# Allegro board pc053c_toplevel_34_movecvcc.brd (continued)
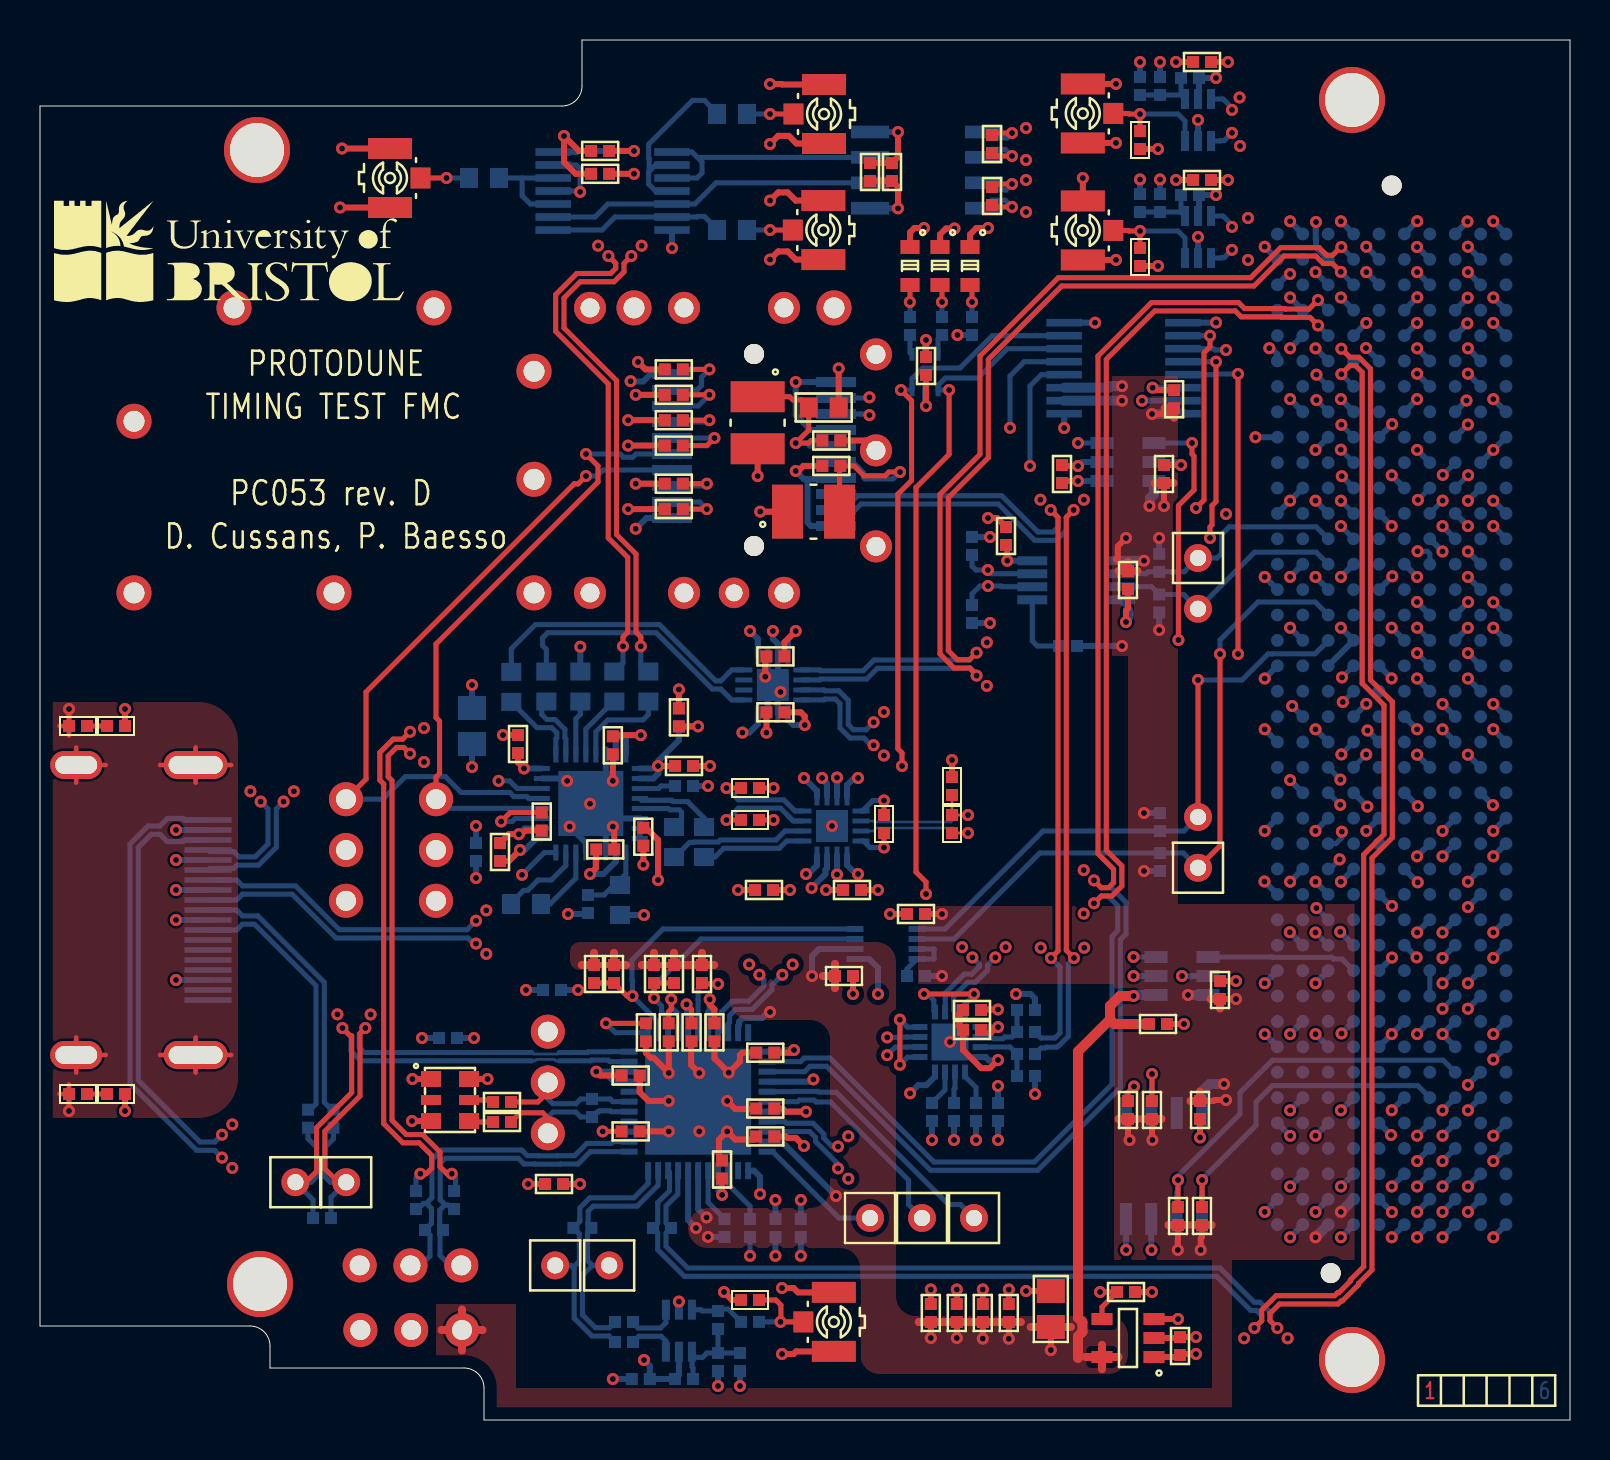
[diagram p0: board, top side]
## Footprints (pads in the part's own frame, mm; a bottom-side part is the same pattern mirrored in y, then rotated) (continued)
SC70_6L
  rect 0.254x0.635 smd: 1(0,0) 2(0.65,0) 3(1.3,0) 4(1.3,1.78) 5(0.65,1.78) 6(0,1.78)
SOIC8S_127
  rect 0.635x1.905 smd: 1(0,0) 2(1.27,0) 3(2.54,0) 4(3.81,0) 5(3.81,5.7) 6(2.54,5.7) 7(1.27,5.7) 8(0,5.7)
SOIC127P600X175-8N
  rect 1.6x0.6 smd: 1(-2.65,1.905) 2(-2.65,0.635) 3(-2.65,-0.635) 4(-2.65,-1.905) 5(2.65,-1.905) 6(2.65,-0.635) 7(2.65,0.635) 8(2.65,1.905)
SOP50P310X90-8N
  rect 0.85x0.3 smd: 1(-1.55,0.75) 2(-1.55,0.25) 3(-1.55,-0.25) 4(-1.55,-0.75) 5(1.55,-0.75) 6(1.55,-0.25) 7(1.55,0.25) 8(1.55,0.75)
SOP65P210X110-6N
  rect 1x0.4 smd: 1(-1.05,0.65) 2(-1.05,0) 3(-1.05,-0.65) 4(1.05,-0.65) 5(1.05,0) 6(1.05,0.65)
SOP65P490X110-8N
  rect 1.5x0.45 smd: 1(-2.2,0.975) 2(-2.2,0.325) 3(-2.2,-0.325) 4(-2.2,-0.975) 5(2.2,-0.975) 6(2.2,-0.325) 7(2.2,0.325) 8(2.2,0.975)
SOT95P280X110-5N
  rect 1.05x0.6 smd: 1(-1.3,0.95) 2(-1.3,0) 3(-1.3,-0.95) 4(1.3,-0.95) 5(1.3,0.95)
SOT95P280X145-6N
  rect 1.15x0.6 smd: 1(-1.3,0.95) 2(-1.3,0) 3(-1.3,-0.95) 4(1.3,-0.95) 5(1.3,0) 6(1.3,0.95)
TP_HOLE_08
  round 1.397 hole 0.813: 1(0,0)
TSSOP14MA_065
  rect 0.381x1.778 smd: 1(0,0) 2(0.65,0) 3(1.3,0) 4(1.95,0) 5(2.6,0) 6(3.25,0) 7(3.9,0) 8(3.9,5.94) 9(3.25,5.94) 10(2.6,5.94) 11(1.95,5.94) 12(1.3,5.94) 13(0.65,5.94) 14(0,5.94)
TSSOP16MA_065
  rect 0.381x1.778 smd: 1(0,0) 2(0.65,0) 3(1.3,0) 4(1.95,0) 5(2.6,0) 6(3.25,0) 7(3.9,0) 8(4.55,0) 9(4.55,5.94) 10(3.9,5.94) 11(3.25,5.94) 12(2.6,5.94) 13(1.95,5.94) 14(1.3,5.94) 15(0.65,5.94) 16(0,5.94)
TYCO_1888247-1
  round 1 hole 1.4 unplated: (0,-4.8) (0,4.8)
  rect 2x0.5 smd: 1(-4.1,3.4) 2(-4.1,2.6) 3(-4.1,1.8) 4(-4.1,1) 5(-4.1,0.2) 6(-4.1,-0.6) 7(-4.1,-1.4) 8(-4.1,-2.2) 9(-4.1,-3) 10(-4.1,-3.8) 11(4.1,-3.4) 12(4.1,-2.6) 13(4.1,-1.8) 14(4.1,-1) 15(4.1,-0.2) 16(4.1,0.6) 17(4.1,1.4) 18(4.1,2.2) 19(4.1,3) 20(4.1,3.8)
unnamed#2
  round 3.302 hole 2.7: (0,0)

## Nets
AGND: C74.1 C75.1 J7.20 J7.21 J7.22 J7.23
GND: C3.2(B<0>) C4.2(B<0>) C5.2(B<0>) C6.2(B<0>) C7.1 C8.1 C9.1 C10.1 C11.1 C12.1 C13.1 C14.1 C15.1 C16.1 C17.1 C18.1 C19.1 C20.1 C29.1 C30.1 C31.1 C32.1 C33.1 C34.1 C35.1 C36.1 C37.1 C38.1 C40.1 C41.1 C42.1 C45.1 C46.1 C47.1 C48.1 C49.1 C51.1 C52.1 C53.1 C54.2(B<0>) C55.2(B<0>) C56.2(B<0>) C57.1 C58.1 C59.1 C60.1 C61.1 C62.1 C63.1 C64.1 C65.1 C66.1 C67.1 C68.1 C69.1 C70.1 C71.1 C72.1 C107.1 C117.1 IC1.1 IC2.3 IC2.4(VSS) IC3.12 IC4.45 IC5.2(VEE) IC6.2(VEE) IC7.2(VEE) IC8.5 IC9.7 IC10.8 IC10.9 IC10.14 IC10.15 IC12.6 IC12.7 IC12.8 IC12.11 IC12.13 IC12.17 IC12.23 IC12.30 IC12.33 IC13.6 IC13.7 IC13.14 IC13.15 IC13.17 IC14.2 IC14.5 IC15.4 IC16.2 IC16.5 IC17.6 IC17.7 IC17.14 IC17.15 IC17.17 IC18.2 J2.1 J3.1 J4.1 J4.10 J4.11 J4.14 J4.17 J4.20(VEET3) J5.2 J6.2 J7.2 J7.5 J7.8 J7.11 J7.17 J8.1 LD1.2(B) LD2.2(B) LD3.2(B) P1.A1 P1.A4 P1.A5 P1.A8 P1.A9 P1.A12 P1.A13 P1.A16 P1.A17 P1.A20 P1.A21 P1.A24 P1.A25 P1.A28 P1.A29 P1.A32 P1.A33 P1.A36 P1.A37 P1.A40 P1.B2 P1.B3 P1.B6 P1.B7 P1.B10 P1.B11 P1.B14 P1.B15 P1.B18 P1.B19 P1.B22 P1.B23 P1.B26 P1.B27 P1.B30 P1.B31 P1.B34 P1.B35 P1.B38 P1.B39 P1.C1 P1.C4 P1.C5 P1.C8 P1.C9 P1.C12 P1.C13 P1.C16 P1.C17 P1.C20 P1.C21 P1.C24 P1.C25 P1.C28 P1.C29 P1.C32 P1.C33 P1.C36 P1.C38 P1.C40 P1.D2 P1.D3 P1.D6 P1.D7 P1.D10 P1.D13 P1.D16 P1.D19 P1.D22 P1.D25 P1.D28 P1.D37 P1.D39 P1.E1 P1.E4 P1.E5 P1.E8 P1.E11 P1.E14 P1.E17 P1.E20 P1.E23 P1.E26 P1.E29 P1.E32 P1.E35 P1.E38 P1.E40 P1.F2 P1.F3 P1.F6 P1.F9 P1.F12 P1.F15 P1.F18 P1.F21 P1.F24 P1.F27 P1.F30 P1.F33 P1.F36 P1.F39 P1.G1 P1.G4 P1.G5 P1.G8 P1.G11 P1.G14 P1.G17 P1.G20 P1.G23 P1.G26 P1.G29 P1.G32 P1.G35 P1.G38 P1.G40 P1.H2 P1.H3 P1.H6 P1.H9 P1.H12 P1.H15 P1.H18 P1.H21 P1.H24 P1.H27 P1.H30 P1.H33 P1.H36 P1.H39 P1.J1 P1.J4 P1.J5 P1.J8 P1.J11 P1.J14 P1.J17 P1.J20 P1.J23 P1.J26 P1.J29 P1.J32 P1.J35 P1.J38 P1.J40 P1.K2 P1.K3 P1.K6 P1.K9(K<9>) P1.K12 P1.K15 P1.K18 P1.K21 P1.K24 P1.K27 P1.K30 P1.K33 P1.K36 P1.K39 PX1.2 PX1.3 PX2.2 PX2.3 PX3.2 PX3.3 PX4.2 PX4.3 PX5.2 PX5.3 PX6.2 PX6.3 QZ1.3 R2.1 R3.2(B<0>) R5.1 R6.1 R10.2(B<0>) R12.2(B<0>) R17.1 R19.1 R20.2(B<0>) R21.2(B<0>) R27.1 R30.1 R31.1 R33.1 R34.1 R36.1 R38.1 R62.2(B<0>) R63.2(B<0>) REG1.2 SFP1.1 SFP1.2 SFP1.3 SFP1.4 SFP1.5 SFP1.6 SFP1.7 SFP1.8 SFP1.9 SFP1.10 SFP1.11 SFP1.12 SFP1.13 SFP1.14 SFP1.15 SFP1.16 SFP1.17 SFP1.18 SFP1.19 SFP1.20
P1V8: C12.2(B<0>) C13.2(B<0>) C14.2(B<0>) C19.2(B<0>) C20.2(B<0>) C65.2(B<0>) C117.2(B<0>) IC1.2 IC4.21 IC4.32 IC4.39 IC4.40 IC16.1 R13.2(B<0>) R14.2(B<0>) R15.2(B<0>) R16.2(B<0>) R40.1 R41.1 REG1.5(OUT)
P3V3: C3.1 C4.1 C5.1 C6.1 C7.2(B<0>) C8.2(B<0>) C9.2(B<0>) C10.2(B<0>) C15.2(B<0>) C29.2(B<0>) C30.2(B<0>) C31.2(B<0>) C32.2(B<0>) C33.2(B<0>) C34.2(B<0>) C35.2(B<0>) C36.2(B<0>) C37.2(B<0>) C40.2(B<0>) C41.2(B<0>) C45.2(B<0>) C46.2(B<0>) C47.2(B<0>) C48.2(B<0>) C49.2(B<0>) C54.1 C55.1 C56.1 C57.2(B<0>) C58.2(B<0>) C59.2(B<0>) C60.2(B<0>) C66.2(B<0>) C69.2(B<0>) C70.2(B<0>) C71.2(B<0>) C72.2(B<0>) C73.2(B<0>) C107.2(B<0>) IC3.9 IC3.16 IC4.8 IC4.9 IC4.18 IC4.23 IC4.26 IC4.29 IC4.34 IC5.5 IC6.5 IC7.5 IC8.8 IC9.14 IC10.1 IC12.1 IC12.2 IC12.10 IC12.12 IC12.18 IC12.24 IC12.31 IC12.32 IC13.5 IC13.8 IC13.13 IC13.16 IC14.1 IC15.8(VCCB) IC17.5 IC17.8 IC17.13 IC17.16 IC18.5 J8.2 L1.2(B<0>) L2.1 P1.C39 P1.D36 P1.D38 P1.D40 QZ1.1 QZ1.6 R4.2(B<0>) R22.1 R23.1 R24.2(B<0>) R25.2(B<0>) R28.1 R29.1 R32.2(B<0>) R35.2(B<0>) R37.2(B<0>) R56.2(B<0>) R57.2(B<0>) R140.1 R411.1 REG1.1 REG1.3
P12V: P1.C35 P1.C37
CDR_LOL: IC10.6 IC12.16 IC18.1
CDR_LOS: IC10.7 IC12.22 IC18.3
CLK_IN0_N: C26.2(B<0>) IC4.44 R9.2(B<0>) TP8.1(A<0>)
CLK_IN0_P: C23.2(B<0>) IC4.43 R9.1 TP7.1(A<0>)
CLK_IN1_N: C27.2(B<0>) IC4.2 J3.2 R11.1
CLK_IN1_P: C24.2(B<0>) IC4.1 J3.3(A<2>) R11.2(B<0>)
CLK_IN2_N: C28.2(B<0>) IC4.11 R8.2(B<0>) TP6.1(A<0>)
CLK_IN2_P: C22.2(B<0>) IC4.10 R8.1 TP5.1(A<0>)
CLK_RST: IC4.17 IC16.3 R16.1
CLK_SCL: IC1.3 IC4.14 R14.1 R41.2(B<0>)
CLK_SDA: IC1.4 IC4.13 R15.1 R40.2(B<0>)
CTRLVCC: P1.D32
CVCC: C16.2(B<0>) C17.2(B<0>) C18.2(B<0>) C61.2(B<0>) C67.2(B<0>) C68.2(B<0>) IC2.8 IC10.2 IC10.3 IC10.16 IC14.6(VCCB) IC15.1 IC16.6(VCCB) J8.3(A<2>) P1.G39 P1.H40 R1.2(B<0>) R39.2(B<0>) R42.2(B<0>) R43.2(B<0>) R103.2(B<0>) R138.2(B<0>) R142.2(B<0>) R143.2(B<0>) R242.2(B<0>) R1328.2(B<0>)
F_CDR_CLK_N: IC12.25 R55.1
F_CDR_CLK_P: IC12.26 R54.1
F_CDR_D_N: P1.H8 R53.2(B<0>)
F_CDR_D_P: P1.H7 R52.2(B<0>)
F_FMC_CLK_N: IC4.42 P1.G7 R18.1
F_FMC_CLK_P: IC4.41 P1.G6 R18.2(B<0>)
F_GPIO_OUT0_N: IC8.4 P1.G10 R45.1
F_GPIO_OUT0_P: IC8.3 P1.G9 R45.2(B<0>)
F_GPIO_OUT1_N: IC8.1 P1.H23 R46.1
F_GPIO_OUT1_P: IC8.2 P1.H22 R46.2(B<0>)
F_MCX_CLK_N: C26.1 IC5.6
F_MCX_CLK_P: C23.1 IC5.1
F_RJ45_CLK_N: C28.1 J7.10(A<9>)
F_RJ45_CLK_P: C22.1 J7.12
F_RJ45_D_N: J7.6 P1.G19
F_RJ45_D_P: J7.4 P1.G18
F_SFP_N: IC13.4 J4.12 R60.1
F_SFP_P: IC13.1 J4.13 R60.2(B<0>)
FMC_GA0: IC2.2 P1.C34 R138.1
FMC_GA1: IC2.1 P1.D35 R1328.1
FMC_LA07_N: IC15.3 P1.H14 R142.1 TP2.1(A<0>)
FMC_LA07_P: IC15.2 P1.H13 R143.1 TP4.1(A<0>)
FMC_LA11_N: IC1.5 P1.H17 R242.1 TP1.1(A<0>)
FMC_LA11_P: IC1.6 P1.H16 R43.1 TP3.1(A<0>)
FMC_SCL: IC2.6 J5.3(A<2>) P1.C30 R103.1
FMC_SDA: IC2.5 J6.3(A<2>) P1.C31 R39.1
FPGA_CDR_LOL: IC10.11 P1.G12
FPGA_CDR_LOS: IC10.10 P1.G13
FPGA_CLK_RST: IC16.4 P1.G30
FPGA_SFP_LOS: IC10.12 P1.D14
FPGA_SFP_TX_DIS: IC14.4 P1.D17
FPGA_SFP_TX_FLT: IC10.13(1B<0>) P1.D18
GPIO_IN0_N: IC6.6 P1.C11
GPIO_IN0_P: IC6.1 P1.C10
GPIO_IN1_N: IC7.6 P1.D12
GPIO_IN1_P: IC7.1 P1.D11
IN_N: C44.2(B<0>) IC12.4
IN_P: C43.2(B<0>) IC12.5
IN_SEL0: IC4.3 R17.2(B<0>)
IN_SEL1: IC4.37 R19.2(B<0>)
OSC_CLK_N: C25.2(B<0>) IC4.6(XB) J2.2 R7.2(B<0>)
OSC_CLK_P: C21.2(B<0>) IC4.5 J2.3(A<2>) R7.1
REC_CLK_N: C27.1 IC17.11
REC_CLK_P: C24.1 IC17.12
S_CLK_IN: C50.1 PX1.1(A) R27.2(B<0>)
S_GPIO_IN0: IC6.3 PX2.1(A) R30.2(B<0>)
S_GPIO_IN1: IC7.3 PX3.1(A) R31.2(B<0>)
SFP_LOS: IC10.5 J4.8 R23.2(B<0>)
SFP_SCL: IC12.20 IC15.7 J4.5 J5.1 R411.2(B<0>)
SFP_SDA: IC12.21 IC15.6 J4.4 J6.1 R140.2(B<0>)
SFP_TX_DISABLE: IC14.3 J4.3 R28.2(B<0>)
SFP_TX_FAULT: IC10.4 J4.2 R29.2(B<0>)
SY5860_IN_N: IC17.4 R55.2(B<0>)
SY5860_IN_P: IC17.1 R54.2(B<0>)
T_CDR_N: C44.1 IC13.9
T_CDR_P: C43.1 IC13.10
T_FFD_CLK_N: IC3.2 IC4.19
T_FFD_CLK_P: IC3.3 IC4.20
T_FFD_D_N: IC3.6 P1.G22
T_FFD_D_P: IC3.7 P1.G21
T_FMC_CLK_N: IC4.24 P1.H5
T_FMC_CLK_P: IC4.25 P1.H4
T_FMC_N: P1.H26 R59.2(B<0>)
T_FMC_P: P1.H25 R58.2(B<0>)
T_FMC_REC_CLK_N: IC17.9 P1.G3
T_FMC_REC_CLK_P: IC17.10 P1.G2
T_MCX_CLK: IC9.11 IC9.13 R26.2(B<0>)
T_RJ45_CLK_N: IC4.30 J7.3
T_RJ45_CLK_P: IC4.31 J7.1
T_RJ45_D_N: J7.9 P1.H29
T_RJ45_D_P: J7.7 P1.H28
T_SFP_N: C2.2(B<0>) J4.19
T_SFP_P: C1.2(B<0>) J4.18
UNNAMED_2_CON400P40ABCDEFGHJK_I: P1.D30 P1.D31
UNNAMED_2_PCA9306_I276_EN: IC1.7(VREF2) IC1.8 R1.1
UNNAMED_2_PCA9517_I162_EN: IC15.5 R42.1
UNNAMED_3_CAPCERSMDCL2_I315_A: C1.1 IC3.10 R5.2(B<0>)
UNNAMED_3_CAPCERSMDCL2_I316_A: C2.1 IC3.11 R6.2(B<0>)
UNNAMED_3_NBSG53A_I298_OLS: IC3.13 R3.1
UNNAMED_3_NBSG53A_I298_R: IC3.15 R2.2(B<0>)
UNNAMED_3_NBSG53A_I298_SEL: IC3.14 R4.1
UNNAMED_3_NBSG53A_I298_VTCLK: IC3.1 IC3.4
UNNAMED_3_NBSG53A_I298_VTD: IC3.5(VTD*) IC3.8
UNNAMED_4_CAPCERSMDCL2_I90_B: C11.2(B<0>) REG1.4
UNNAMED_4_CAPCERSMDCL2_I119_A: C21.1 QZ1.4(OUTP)
UNNAMED_4_CAPCERSMDCL2_I120_A: C25.1 QZ1.5
UNNAMED_4_RSMD0402_I16_A: IC4.12 R10.1
UNNAMED_4_RSMD0402_I47_A: IC4.38 R13.1
UNNAMED_4_RSMD0402_I49_A: IC4.15 R20.1
UNNAMED_4_RSMD0402_I50_A: IC4.16 R21.1
UNNAMED_4_RSMD0402_I123_A: IC4.36 R26.1
UNNAMED_4_SI5344_I110_INTR: IC4.33 TP9.1(A<0>)
UNNAMED_4_SI5344_I110_LOL: IC4.27 TP10.1(A<0>)
UNNAMED_4_SI5344_I110_LOSXAXB: IC4.28 TP11.1(A<0>)
UNNAMED_5_74LCX04_I304_Y: IC9.10 IC9.12 R47.1
UNNAMED_5_74LCX04_I317_A: IC8.7(RO<0>) IC9.1 IC9.3
UNNAMED_5_74LCX04_I317_Y: IC9.2(Y*<0>) IC9.4 R49.1
UNNAMED_5_74LCX04_I323_A: IC8.6 IC9.5 IC9.9
UNNAMED_5_74LCX04_I323_Y: IC9.6 IC9.8 R48.1
UNNAMED_5_ADCMP604_I256_: C51.2(B<0>) IC5.4 R32.1 R33.2(B<0>) R44.1
UNNAMED_5_ADCMP604_I256__1: C50.2(B<0>) IC5.3 R44.2(B<0>)
UNNAMED_5_ADCMP604_I285_: C52.2(B<0>) IC6.4 R35.1 R36.2(B<0>)
UNNAMED_5_ADCMP604_I294_: C53.2(B<0>) IC7.4 R37.1 R38.2(B<0>)
UNNAMED_5_PCOAX_I312_A: PX4.1(A) R47.2(B<0>)
UNNAMED_5_PCOAX_I315_A: PX6.1(A) R49.2(B<0>)
UNNAMED_5_PCOAX_I321_A: PX5.1(A) R48.2(B<0>)
UNNAMED_6_CAPCERSMDCL2_I6_B: C74.2(B<0>) R62.1
UNNAMED_6_CAPCERSMDCL2_I7_B: C75.2(B<0>) R63.1
UNNAMED_11_ADN2814_I23_CF1: C39.1 IC12.15
UNNAMED_11_ADN2814_I23_CF2: C39.2(B<0>) IC12.14
UNNAMED_11_ADN2814_I23_DATAOUTN: IC12.28 R53.1
UNNAMED_11_ADN2814_I23_DATAOUTP: IC12.29 R52.1
UNNAMED_11_ADN2814_I23_SADDRS: IC12.19 R57.1
UNNAMED_11_ADN2814_I23_SQUELCH: IC12.27 R12.1
UNNAMED_11_ADN2814_I23_THRADJ: C42.2(B<0>) IC12.9 R34.2(B<0>)
UNNAMED_11_ADN2814_I23_VREF: C38.2(B<0>) IC12.3(VREF)
UNNAMED_11_CAPCERSMDCL2_I317_A: C73.1 IC13.2(VT) R61.1
UNNAMED_11_CON20PSFP_I175_MODDE: J4.6 R25.1
UNNAMED_11_CON20PSFP_I175_RATES: J4.7 R24.1
UNNAMED_11_CON20PSFP_I175_VCCR: C63.2(B<0>) C64.2(B<0>) J4.15 L1.1
UNNAMED_11_CON20PSFP_I175_VCCT: C62.2(B<0>) J4.16 L2.2(B<0>)
UNNAMED_11_CON20PSFP_I175_VEER: J4.9 R22.2(B<0>)
UNNAMED_11_LED1_I225_A: LD1.1 R50.1
UNNAMED_11_LED1_I226_A: LD2.1 R51.1
UNNAMED_11_LED1_I227_A: LD3.1 R56.1
UNNAMED_11_RSMD0402_I232_B: IC18.6 R50.2(B<0>)
UNNAMED_11_RSMD0402_I233_B: IC18.4(Y<0>) R51.2(B<0>)
UNNAMED_11_RSMD0402_I312_A: IC13.12 R58.1
UNNAMED_11_RSMD0402_I313_A: IC13.11 R59.1
UNNAMED_11_RSMD0402_I316_B: IC13.3 R61.2(B<0>)

Pads without a net: IC2 7; IC3 17; IC4 4 7 22 35; IC17 2 3; J7 13 14 15 16 18 19; P1 A2 A3 A6 A7 A10 A11 A14 A15 A18 A19 A22 A23 A26 A27 A30 A31 A34 A35 A38 A39 B1 B4 B5 B8 B9 B12 B13 B16 B17 B20 B21 B24 B25 B28 B29 B32 B33 B36 B37 B40 C2 C3 C6 C7 C14 C15 C18 C19 C22 C23 C26 C27 D1 D4 D5 D8 D9 D15 D20 D21 D23 D24 D26 D27 D29 D33 D34 E2 E3 E6 E7 E9 E10 E12 E13 E15 E16 E18 E19 E21 E22 E24 E25 E27 E28 E30 E31 E33 E34 E36 E37 E39 F1 F4 F5 F7 F8 F10 F11 F13 F14 F16 F17 F19 F20 F22 F23 F25 F26 F28 F29 F31 F32 F34 F35 F37 F38 F40 G15 G16 G24 G25 G27 G28 G31 G33 G34 G36 G37 H1 H10 H11 H19 H20 H31 H32 H34 H35 H37 H38 J2 J3 J6 J7 J9 J10 J12 J13 J15 J16 J18 J19 J21 J22 J24 J25 J27 J28 J30 J31 J33 J34 J36 J37 J39 K1 K4 K5 K7 K8 K10 K11 K13 K14 K16 K17 K19 K20 K22 K23 K25 K26 K28 K29 K31 K32 K34 K35 K37 K38 K40; QZ1 2; SFP1 NC

## Via types
v1: diameter 0.6, hole 0.3, TOP to BOTTOM, 569 vias

## Routing (per net, layer and track width the routed paths; a pad name or vN(x,y) marks a point on that pad's centre or on a via; arc(x,y) is an arc through that point)
AGND: length 20.7
  TOP w0.227: J7.22 1.81,33.63 ; J7.22 1.81,31.87 ; J7.22 3.29,32.75 ; J7.20 7.78,33.63 ; J7.20 9.56,32.75 ; J7.20 6,32.75 ; J7.20 7.78,31.87 ; 1.45,16.78 C74.1 0.97,16.3 ; J7.23 1.81,19.13 ; J7.23 3.29,18.25 ; J7.23 1.81,17.37 ; 6,18.25 J7.21 ; J7.21 7.78,19.13 ; J7.21 7.78,17.37 ; J7.21 9.56,18.25 ; 0.97,34.7 C75.1 1.45,34.22
  TOP w0.254: C75.1 v1(1.45,35.55) ; v1(1.45,15.45) C74.1
GND: length 347
  TOP w0.3: LD2.2 43.5,59.38 43.72,59.6 v1(44.2,59.6) ; C68.1 v1(57.05,47.75) ; C55.2 v1(56.8,67.9) ; C19.1 v1(45.84,6.53) ; C32.1 35.79,15.55 34.77,15.55 v1(34.36,15.95) ; C11.1 v1(55.6,6.4) ; v1(36.5,60.97) 36.91,61.38 37.38,61.38 37.79,60.97 PX5.3 ; C70.1 v1(39.3,26.5) ; R20.2 v1(31.44,17.35) 30.67,18.11 30.54,18.11 30.29,18.36 R10.2 ; C30.1 23.45,27.95 v1(24,28.5) ; v1(30.9,27) 30.9,29.01 30.29,29.61 C29.1 ; v1(44.3,50.7) C15.1 ; LD1.2 45,59.28 45.3,59.58 v1(45.72,59.58) ; C69.1 v1(34.9,26.5) ; QZ1.3 v1(18.6,14.95) ; C63.1 41.31,48.97 SFP1.19 ; PX4.3 v1(15,60.62) ; R17.1 v1(31.44,14.43) ; v1(32.96,17.35) 32.55,17.76 32.55,18.91 R21.2 ; PX5.2 37.79,58.02 37.38,58.43 36.91,58.43 v1(36.5,58.02) ; C40.1 v1(33.5,32.7) ; v1(51.9,47.7) 51.15,47.7 C66.1 ; v1(47.4,59.6) 46.82,59.6 46.5,59.28 LD3.2 ; v1(31.44,15.95) 30.42,15.95 29.98,16.39 C31.1 ; C45.1 35.66,14.02 34.77,14.02 v1(34.36,14.43) 33.95,14.02 33.95,13.13 R19.1 ; v1(28.64,29.67) 28.71,29.6 C36.1 ; C16.1 54.4,40.58 54.3,40.48 v1(54.3,39.9) ; PX4.2 v1(15.1,63.58) ; v1(34.2,6.4) 34.6,6 R27.1 ; PX2.2 v1(53.8,66.8) ; PX1.3 37.9,6.38 37.68,6.6 v1(37.1,6.6) ; C60.1 26.78,62.31 26.2,62.89 v1(26.2,64.2) 26.95,63.45 C59.1 ; R31.1 v1(55.9,57.7) ; v1(47.9,18) 47.49,17.59 47.06,17.59 46.15,18.5 C8.1 45.97,19.68 45.97,20.32 C7.1 ; C49.1 33.72,18.08 v1(34.44,17.37) 34.99,17.92 34.99,18.24 35.12,18.37 C46.1 ; C62.1 38.17,47.7 37.91,47.45 v1(37.79,47.45) ; C14.1 v1(47.14,6.53) ; v1(55.63,51.62) 55.75,51.49 C61.1 ; v1(42.9,60.58) 42.9,61.65 C57.1 C58.1 ; R62.2 v1(4.25,15.45) ; C48.1 v1(24.4,11.8) ; C117.1 v1(40.65,21.3) ; PX3.3 v1(53.8,58) ; C20.1 v1(44.54,6.53) ; C37.1 v1(23.15,34.25) ; C34.1 v1(31.94,36.53) ; v1(47.4,45.1) 47.85,45.1 C107.1 ; C13.1 v1(48.44,6.53) ; C64.1 v1(39.93,52.58) ; C65.1 v1(57.2,19.8) ; v1(36.5,66.8) 37.08,66.8 37.1,66.78 PX6.3 ; v1(36.26,37.16) 36.26,38.12 C71.1 ; C17.1 v1(42.5,25.3) ; R30.1 v1(55.9,63.55) ; C56.2 v1(56.8,62) ; C12.1 v1(49.3,6.45) ; REG1.2 56.95,4.1 C9.1 v1(57.8,4.15) ; C72.1 v1(36.32,34.37) ; PX2.3 v1(53.8,63.85) ; v1(36.5,63.8) 36.91,64.21 37.44,64.21 37.82,63.83 PX6.2 ; v1(37.1,3.3) 37.68,3.3 37.81,3.43 PX1.2 ; C18.1 v1(58,14.12) ; C33.1 v1(28.64,31.96) ; R63.2 v1(4.25,35.55) ; C67.1 v1(59.8,21.95) ; PX3.2 v1(52.14,62.1)
  BOTTOM w0.3: v1(71.39,10.41) P1.B39 ; v1(41.9,21.3) 41.9,22.6 41.45,23.05 IC1.1 ; P1.G14 v1(65.04,42.16) ; P1.E14 v1(68.85,42.16) ; v1(63.8,59.9) 63.8,59.57 63.79,59.56 63.79,59.04 63.8,59.03 63.8,58.64 P1.H2 ; v1(54.3,39.9) 54.5,40.1 54.5,40.53 IC15.4 ; P1.C40 v1(70.12,9.13) ; P1.A20 v1(72.66,35.8) ; P1.D19 v1(68.85,37.08) ; IC7.2 v1(57.9,59.15) ; P1.H39 v1(63.77,10.41) ; P1.K36 v1(62.51,14.21) ; P1.A12 v1(72.66,45.97) ; P1.J11 v1(62.5,45.97) P1.K12 ; J4.11 v1(37.79,51.9) 37.79,50.24 38.53,49.5 J4.14 ; C4.2 v1(21.8,27.1) ; P1.B27 v1(71.39,25.64) ; J7.2 v1(6.8,29.5) ; P1.E20 v1(68.85,34.53) ; P1.A1 v1(72.66,59.94) ; v1(47.9,18) 47.88,17.98 47.45,17.98 47.28,18.14 47.01,18.14 IC3.12 ; P1.A9 v1(72.66,48.51) P1.B10 ; P1.A29 v1(72.66,23.11) ; J4.10 30.53,52.3 30.16,51.93 29.67,51.93 29.66,51.94 v1(29.53,51.94) ; P1.H24 v1(63.77,29.45) ; v1(71.38,59.92) 70.75,59.3 P1.C1 ; P1.A8 v1(72.66,51.05) ; P1.D7 v1(68.85,52.31) ; IC13.15 v1(39.85,32.12) ; v1(68.85,58.65) 68.87,58.65 P1.D2 ; P1.G38 v1(65.04,11.68) ; P1.K30 v1(61.23,21.84) ; 57.15,51.62 v1(55.63,51.62) ; v1(68.85,40.9) 68.85,40.89 P1.D16 ; v1(36.64,39.45) 36.64,39.06 36.89,38.81 IC17.7 36.89,37 IC17.17 ; J7.5 v1(6.8,28) ; P1.C16 v1(71.41,40.9) ; P1.E8 v1(68.85,51.05) ; IC17.17 36.89,36.5 IC17.14 ; IC17.17 36.39,37 IC17.6 ; IC17.17 36.39,36.5 IC17.15 ; P1.C13 v1(70.12,44.7) ; P1.D3 v1(68.85,57.4) ; P1.E1 v1(68.86,59.94) ; P1.C28 v1(70.12,24.38) ; v1(29.79,44.56) 30.32,45.1 J4.1 ; IC13.14 39.35,31.81 39.27,31.89 39.27,31.94 v1(39.1,32.1) ; R12.2 v1(27.02,38.66) ; C38.1 v1(33.4,31.7) ; P1.G40 v1(65.04,9.13) ; P1.K33 v1(61.23,19.3) ; P1.B11 v1(71.39,45.97) ; P1.F18 v1(67.58,37.08) ; P1.A4 v1(72.66,56.12) ; P1.F36 v1(67.55,14.25) ; P1.G8 v1(65.04,51.05) ; P1.A36 v1(72.66,14.21) ; C52.1 v1(56,67.9) ; R36.1 v1(55,67.9) ; P1.K21 v1(61.23,34.53) ; IC10.9 58.79,54.87 58.8,54.88 v1(58.8,54.88) ; P1.K2 v1(61.23,58.66) ; P1.J20 v1(62.61,35.7) ; P1.E32 v1(67.58,19.3) P1.F33 ; R5.1 49.75,21.08 49.53,21.3 v1(48.8,21.3) ; P1.C12 v1(71.39,44.7) ; P1.G20 v1(66.31,35.8) ; P1.C38 v1(70.12,11.68) ; P1.G1 v1(65.04,59.94) ; v1(28.64,31.96) 28.29,32.31 IC12.30 ; P1.K9 v1(60.77,49.14) ; P1.A5 v1(72.66,54.85) ; IC10.8 v1(52.75,54.87) ; P1.H33 v1(63.77,19.3) ; P1.B6 v1(71.39,53.59) ; v1(54.67,22.2) 54.77,22.1 54.85,22.1 54.95,22.2 IC16.2 ; P1.A16 v1(72.66,40.88) ; v1(51.9,47.7) 52.1,47.9 IC14.2 ; P1.H12 v1(63.77,45.97) ; IC8.5 42.89,60.59 v1(42.9,60.58) ; v1(62.5,57.3) 62.41,57.3 P1.K3 ; P1.B22 v1(71.39,33.27) ; P1.B31 v1(71.39,20.57) ; IC13.7 39.35,27.59 39.27,27.51 39.27,27.3 v1(38.58,26.6) ; P1.J38 v1(62.5,11.68) ; P1.H30 v1(63.77,21.84) ; IC12.13 27.29,28.86 v1(26.48,29.67) ; P1.E4 v1(68.86,56.13) ; P1.A24 v1(72.66,29.45) ; P1.C25 v1(70.12,28.18) ; P1.F2 v1(66.31,58.66) ; P1.D22 v1(68.85,33.27) ; 38.32,47.04 38.2,47.04 v1(37.79,47.45) ; 38.32,47.04 39.74,47.04 J4.17 ; 38.32,47.04 38.38,46.99 38.38,44.87 38.55,44.7 J4.20 ; P1.G23 v1(66.37,30.67) ; v1(71.39,49.77) P1.C9 ; C35.1 v1(21.6,36.75) ; IC2.3 55.56,8.51 v1(55.58,8.5) ; P1.K24 v1(61.23,29.45) ; v1(67.6,25.7) 67.53,25.7 P1.F27 ; v1(72.66,44.7) P1.A13 ; P1.J29 v1(62.49,24.39) ; P1.E5 v1(68.85,54.85) ; P1.B2 v1(71.39,58.66) ; P1.C29 v1(70.12,23.11) ; P1.C17 v1(71.39,39.61) ; P1.G5 v1(66.31,54.85) ; P1.C8 v1(71.32,50.98) ; P1.B15 v1(71.39,42.16) ; P1.D39 v1(68.85,10.41) ; P1.A32 v1(72.66,19.3) ; P1.F9 v1(67.6,49.8) ; R38.1 v1(55,62.03) ; v1(71.39,21.84) P1.B30 ; C5.2 v1(47.9,14) ; v1(33.9,1.7) C51.1 ; P1.G26 v1(65.04,26.91) ; P1.B3 v1(71.39,57.4) ; IC2.4 54.29,8.51 v1(54.31,8.5) ; P1.B26 v1(71.39,26.91) ; P1.C24 v1(70.12,29.45) ; P1.C32 v1(70.12,19.3) P1.C33 ; P1.K39 v1(61.23,10.41) ; P1.E17 v1(67.58,39.62) ; C42.1 27.35,25.3 v1(26.4,25.3) ; P1.B19 v1(71.39,37.08) ; C10.1 v1(36.77,8.21) ; P1.C36 v1(70.12,14.21) ; P1.K15 v1(61.23,42.16) ; P1.E38 v1(67.58,11.68) ; IC12.17 24.82,29.08 24.24,28.5 v1(24,28.5) ; J7.8 v1(6.8,26.5) ; IC12.8 IC12.7 IC12.6 29.05,30.08 v1(28.64,29.67) 28.29,29.32 IC12.11 ; C53.1 v1(56,62.03) ; P1.J40 v1(62.5,9.13) ; P1.A33 v1(72.66,18.02) ; P1.G4 v1(65.04,56.12) ; IC12.23 26.24,32.08 v1(26.36,31.96) ; P1.K27 v1(61.22,26.93) ; P1.F24 v1(66.31,29.45) ; P1.H18 P1.G17 v1(65.04,39.62) ; P1.G11 v1(65.09,47.19) ; P1.D10 v1(68.85,48.51) ; C6.2 v1(26.9,21.5) ; C54.2 v1(28.64,2.05) ; v1(72.66,9.13) P1.A40 ; P1.F3 v1(66.31,57.4) ; v1(31.6,58.6) IC9.7 ; P1.D37 v1(68.85,12.95) ; P1.D13 v1(70.12,43.42) ; P1.H36 v1(63.77,14.21) ; J7.11 v1(6.8,25) ; C3.2 v1(19.1,19.1) ; P1.C20 v1(70.12,35.8) ; v1(68.83,23.13) P1.E29 ; P1.B14 v1(71.39,43.42) ; P1.A21 v1(72.66,34.53) ; IC14.5 56.9,47.9 v1(57.05,47.75) ; C34.1 v1(31.94,36.53) ; P1.J17 v1(62.5,39.62) ; P1.A25 v1(72.66,28.18) ; P1.J35 v1(62.5,15.48) ; R3.2 v1(46.8,14) ; P1.D6 v1(68.85,53.59) ; P1.E23 v1(68.89,30.69) ; IC16.5 57.55,22.2 57.54,22.19 57.11,22.19 v1(57.1,22.2) ; P1.H21 v1(63.77,34.53) ; P1.E40 v1(67.58,9.13) ; P1.B34 v1(71.39,16.76) ; P1.F15 v1(67.61,42.19) ; IC10.15 v1(55.1,50.97) ; P1.K6 61.87,53.28 61.56,53.59 v1(61.47,53.59) ; IC18.2 44.25,50.75 v1(44.3,50.7) ; C47.1 v1(38.04,8.21) ; P1.H27 v1(63.77,26.91) ; P1.C21 v1(70.12,34.53) ; P1.B18 v1(71.39,38.34) ; P1.H6 v1(63.77,53.59) ; IC13.6 v1(39.85,27.27) ; P1.K18 v1(61.23,37.08) ; P1.J26 v1(62.5,26.91) ; P1.B7 v1(71.39,52.31) ; P1.J1 v1(62.5,59.94) ; P1.H3 v1(63.77,57.4) ; P1.E35 v1(67.58,15.48) ; P1.C5 v1(71.37,54.83) ; P1.G35 v1(65.04,15.48) ; P1.D28 v1(68.85,24.38) ; P1.J14 v1(62.5,42.16) ; J7.17 v1(6.8,22) ; v1(44.6,14) R2.1 ; P1.C4 v1(71.38,56.12) ; P1.B23 v1(72.64,30.75) ; P1.A37 v1(72.66,12.95) ; P1.A28 v1(72.66,24.38) ; P1.E11 v1(67.58,47.23) ; P1.H9 v1(63.77,48.51) ; P1.F39 v1(67.59,10.39) ; P1.H15 v1(63.77,42.16) ; P1.F12 v1(67.58,44.7) ; v1(66.38,34.48) P1.F21 ; P1.E26 v1(68.88,26.89) ; P1.F6 v1(66.3,53.6) ; P1.J4 v1(62.5,56.12) ; P1.F30 v1(67.6,23.12) ; P1.G32 v1(65.07,19.32) ; P1.D25 v1(68.85,28.18) ; P1.A17 v1(72.66,39.62) ; P1.J8 v1(62.5,51.05) ; P1.G29 v1(65.01,24.41) ; v1(30.2,25.25) R34.1 ; IC6.2 v1(57.9,65) ; P1.B38 v1(71.39,11.68) ; P1.J32 v1(62.5,19.3) ; P1.J5 v1(62.5,53.59) ; v1(71.39,15.48) P1.B35 ; IC5.2 v1(31.94,5.92) ; v1(49.75,16.3) R6.1 ; R33.1 v1(35,1.7) ; P1.J23 v1(62.5,32)
  vias: v1(9.61,14.78) v1(9.61,12.61) v1(10.52,31.44) v1(12.69,31.44) v1(14.87,20.28) v1(16.53,20.28) v1(19.2,34.6) v1(19.2,32.9) v1(22.31,25.48) v1(22.31,23.31) v1(27.5,30.81) v1(27.91,58.71) v1(30.08,58.71) v1(32.96,14.43) v1(35.46,22.78) v1(37.02,36.4) v1(37.63,22.78) v1(39.6,29.7) v1(40.41,14.19) v1(40.41,12.07) v1(42.19,35.4) v1(42.19,33.23) v1(46.11,23.64) v1(47.34,38.88) v1(47.34,36.71) v1(48.28,23.64) v1(49.3,64.6) v1(49.3,63) v1(49.3,62) v1(49.3,60.4) v1(50.02,46.01) v1(50.04,23.61) v1(52.19,46.01) v1(52.19,27.49) v1(52.19,25.32) v1(52.21,23.61) v1(59.98,66.13) v1(60,63.7) v1(60.21,4.09) v1(60.4,60.1) v1(60.4,58) v1(62.38,4.09)
P1V8: length 64.2
  TOP w0.3: C19.2 v1(45.84,4.1) ; C13.2 v1(48.44,4.06) ; C20.2 v1(44.54,4.1) ; C14.2 v1(47.14,4.07) ; R40.1 R15.2 ; R41.1 R14.2 ; C12.2 v1(50.54,3.5)
  TOP w0.4: 27.7,23.36 R40.1 27.09,22.75 ; 46.53,4.9 C14.2 47.74,4.9 ; 30.7,23.36 R41.1 30.09,22.75 ; 45.23,4.9 C19.2 46.44,4.9 ; 43.93,4.9 C20.2 45.14,4.9 ; C117.2 39.75,22.8 ; C117.2 39.14,22.2 ; C117.2 39.75,21.59 ; 32.49,22.75 R16.2 ; R16.2 33.1,23.36 ; R16.2 33.7,22.75 ; 51.54,4.65 C12.2 49.53,4.65 ; 31.7,23.36 R14.2 32.3,22.75 ; 52.27,3.15 REG1.5 ; REG1.5 53.93,3.15 ; REG1.5 53.1,3.75 ; REG1.5 53.1,2.54 ; 47.83,4.9 C13.2 49.04,4.9 ; 28.7,23.36 R15.2 29.3,22.75
  TOP w0.5: 51.9,3.1 51.9,4.19 52.12,4.41 52.12,4.89 51.9,5.11 51.9,18.43 53.5,20.02 ; v1(54.67,21.2) 54,21.2 53.5,20.7 53.5,20.02 ; C65.2 53.72,19.8 53.5,20.02
  BOTTOM w0.3: v1(32.8,9.6) 32.41,9.99 32.41,12.47 ; v1(36.5,20.4) 36.4,20.4 36.1,20.1 35.14,20.1 34.95,19.92 34.95,19.75 34.91,19.7 IC4.21 ; 32.91,12.47 32.91,10.55 v1(33.33,10.13) ; v1(38.6,22.2) 38.6,23.2 38.95,23.55 IC1.2 ; v1(39.8,11.2) 37.08,13.92 IC4.32 ; R13.2 v1(33.4,9.15)
  BOTTOM w0.5: IC16.1 54.72,21.25 v1(54.67,21.2)
P3V3: length 125.4
  TOP w0.3: C37.2 23.9,32.88 v1(24.2,32.58) ; v1(29.7,63.45) C59.2 ; v1(42.9,64.4) 42.9,63.15 C57.2 C58.2 ; C30.2 23.44,29.29 v1(23.94,29.29) 24.07,29.29 24.26,29.47 R57.2 ; R24.2 v1(29.4,49.99) ; v1(29.9,52.9) 30.27,52.53 R22.1 ; R25.2 v1(29.4,48.72) ; C8.2 47.05,19.4 47.1,19.35 47.53,19.35 47.82,19.64 v1(47.9,19.64) ; L2.1 v1(36.01,45.42) ; C69.2 v1(37.5,26.5) ; v1(30.04,34.24) 28.7,34.24 C33.2 ; C34.2 v1(32.9,34.68) ; QZ1.1 v1(18.62,17.05) ; C60.2 v1(29.7,62.31) ; C55.1 v1(59.4,67.9) ; v1(38.24,34.75) 38.24,35.19 38.04,35.38 C72.2 ; v1(51.9,46.95) 51.2,46.95 C66.2 ; REG1.1 56.9,3.15 C9.2 57.05,3.3 v1(57.8,3.3) ; C107.2 48.36,43.69 v1(48.36,42.96) ; v1(47.9,20.53) 47.08,20.53 C7.2 ; C48.2 v1(27,11.8) ; C56.1 v1(59.4,62) ; C32.2 37.13,15.57 37.28,15.42 v1(38.3,15.42) ; v1(27.81,17.42) 28.01,17.22 C31.2 ; C36.2 27.81,27.95 27.79,27.93 27.79,27.59 v1(27.5,27.3) ; C70.2 v1(41.9,26.5) ; R23.1 v1(29.79,51.26) ; C40.2 v1(30.9,32.7) ; C73.2 v1(45.6,33) ; v1(33.48,21.03) 33.48,20.77 33.72,20.53 C49.2 ; C29.2 v1(30.17,27.77) ; C45.2 37.29,14.18 37.36,14.11 37.79,14.11 v1(38.2,13.7) ; v1(22.38,17.05) QZ1.6 ; C15.2 v1(44.3,54) ; C71.2 37.22,38.88 v1(37.79,39.45) ; R28.1 v1(29.79,46.81) ; REG1.3 v1(56.9,5.05) ; L1.2 v1(35.88,47.2) ; R29.1 v1(29.4,45.55) ; C46.2 37.57,18.37 v1(37.7,18.5)
  L5_PWR w0.4: J8.2 19.59,4.5 ; J8.2 18.56,3.47 ; J8.2 17.53,4.5 ; J8.2 18.56,5.53
  BOTTOM w0.3: P1.D40 v1(68.85,9.13) ; v1(30.04,34.24) 29.28,34.24 ; 29.28,34.24 29.02,34.24 28.79,34.01 IC12.31 ; 29.28,34.24 29.29,34.23 IC12.32 ; v1(58.8,67.1) R35.2 57.95,66.5 57.9,66.45 IC6.5 ; v1(47.9,19.64) 47.01,19.64 IC3.9 ; IC4.9 28.52,17.42 ; 28.52,17.42 v1(27.81,17.42) ; 28.52,17.42 28.52,17.1 28.7,16.92 IC4.8 ; IC12.1 30.91,32.58 30.92,32.59 ; v1(29.7,63.45) 26.88,63.45 26.83,63.4 IC9.14 ; IC17.5 35.89,39.06 v1(35.5,39.45) ; IC13.5 40.35,27.75 40.8,27.3 v1(40.9,27.3) ; C10.2 v1(36.77,11) ; v1(38.2,32.1) 38.85,31.45 IC13.13 ; C6.1 v1(24.3,21.5) ; v1(44.3,54) 44.25,53.95 IC18.5 ; R56.2 v1(45.87,54.25) ; IC12.2 30.67,32.08 30.92,32.33 30.92,32.59 ; IC12.12 27.79,27.59 v1(27.5,27.3) 28.17,27.3 28.79,27.92 IC12.10 ; C5.1 v1(47.9,16.7) ; 30.92,32.59 30.92,32.97 31.94,33.99 C34.2 v1(32.9,34.68) ; IC17.13 37.39,35.03 37.67,34.75 v1(38.24,34.75) ; IC10.1 v1(51.21,49.6) ; v1(47.5,39.85) R140.1 ; IC4.18 33.41,20.38 33.48,20.46 v1(33.48,21.03) ; IC7.5 57.9,60.6 57.95,60.65 R37.2 v1(58.8,61.25) ; IC5.5 31.94,2.25 R32.2 C54.1 30.49,2.71 v1(30.2,3) ; C35.2 v1(21.6,32.65) ; P1.D36 v1(68.85,14.21) ; C3.1 v1(21.7,19.1) ; IC12.18 24.23,29.58 v1(23.94,29.29) ; C47.2 v1(38.04,11) ; C4.1 v1(21.8,29.7) ; v1(47.5,44.15) R411.1 ; IC17.8 37.39,39.05 v1(37.79,39.45) ; IC3.16 44.75,17.18 44.32,16.74 43.91,16.74 v1(43.5,16.34) ; IC12.24 v1(24.2,32.58) ; IC15.8 v1(48.36,42.96) ; R4.2 v1(45.7,14) ; IC4.26 38.55,16.92 v1(38.67,17.03) ; IC17.16 35.89,34.79 35.47,34.37 v1(35.12,34.37) ; IC4.23 37.07,18.42 37.16,18.5 v1(37.7,18.5) ; v1(36,11.3) 36,12.17 35.7,12.47 35.41,12.47 ; IC8.8 v1(42.9,64.4) ; v1(38.3,27.3) 38.42,27.3 38.85,27.73 IC13.8 ; v1(38.3,15.42) IC4.29 ; IC13.16 40.35,31.75 40.7,32.1 v1(40.9,32.1) ; P1.C39 v1(70.12,10.41) ; v1(51.9,46.95) IC14.1 ; P1.D38 v1(68.85,11.68)
